# Altium PCB Layout.PcbDoc (part 3 of 3)
Units mm, origin at the board's own origin, x right, y up, seen from the top; angles counter-clockwise.
Board outline 143.51 x 102.23 mm, 2 copper layers (Top Layer, Bottom Layer); 183 components, 85 nets, 583 pads, 860 vias.
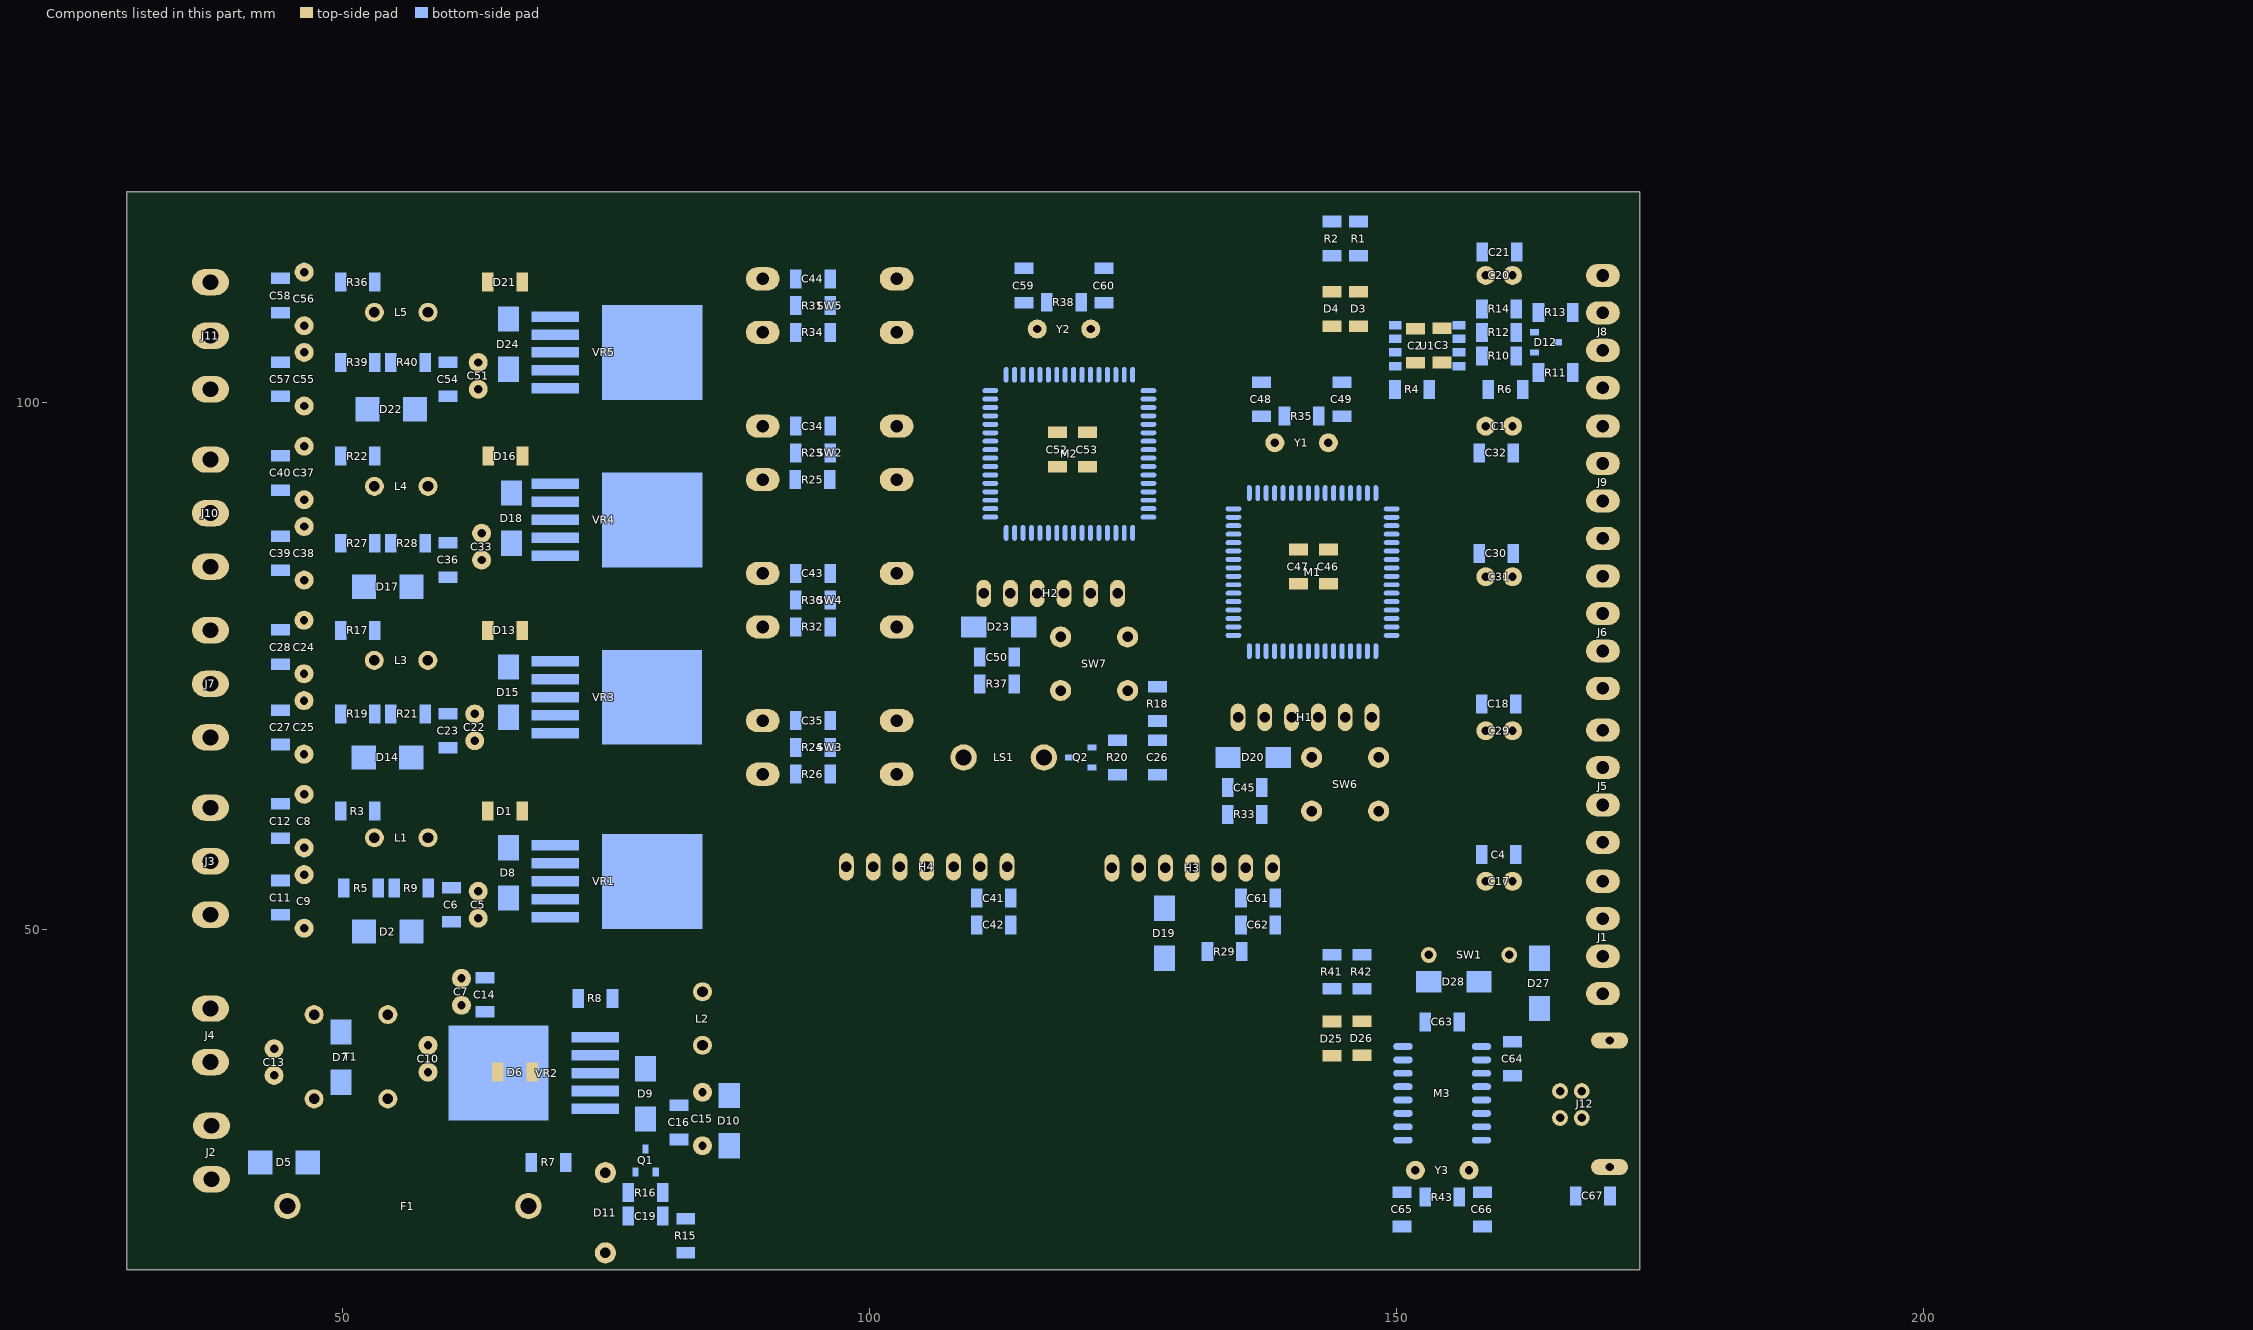
[diagram p3: the components of this part, seen from the top]

## Silkscreen, mask and mechanical layers (free items; w line width, h text height)
Top Overlay:
  drawing of 140 lines, arcs and shapes, not listed
  text "Serial" at 142.811,118.046 h1
  text "RS-485" at 142.811,116.141 h1
  text "Capacitors" at 41.69,114.57 h1
  text "LEDs" at 142.811,114.236 h1
  text "Crystal" at 113.73,113.474 h1.52
  text "V+" at 40.259,112.459 h1.5 r270
  text "+" at 165.735,111.697 h1.52 r90
  text "1" at 61.531,111.061 h1
  text "Motor" at 63.119,108.521 h1
  text "A" at 164.401,108.204 h1.52
  text "M1" at 40.259,107.379 h1.5 r270
  text "LED" at 63.119,106.934 h1
  text "Switch" at 92.329,104.394 h1.52
  text "B" at 164.401,104.394 h1.52
  text "GND" at 40.259,103.251 h1.5 r270
  text "Crystal" at 136.462,102.362 h1.52
  text "Inductor" at 51.054,101.854 h1
  text "-" at 164.401,100.775 h1.52
  text "100uH" at 51.054,99.949 h1
  text "+" at 164.401,97.155 h1.52
  text "V+" at 40.259,95.631 h1.5 r270
  text "2" at 61.531,94.551 h1
  text "A" at 164.401,93.916 h1.52
  text "12VDC" at 148.844,92.329 h1.52
  text "Motor" at 63.119,92.011 h1
  text "M2" at 40.259,90.551 h1.5 r270
  text "Switch" at 92.329,90.424 h1.52
  text "MCU" at 110.109,90.424 h1.52
  text "1" at 115.506,90.424 h1.52
  text "LED" at 63.136,90.374 h1
  text "B" at 164.401,90.106 h1.52
  text "Motor 3" at 105.346,86.741 h1.52 r270
  text "-" at 164.401,86.487 h1.52
  text "GND" at 40.259,86.423 h1.5 r270
  text "Inductor" at 51.371,85.344 h1
  text "RST" at 111.506,83.757 h1.52 r90
  text "SCK" at 114.046,83.757 h1.52 r90
  text "MISO" at 116.586,83.757 h1.52 r90
  text "MOSI" at 119.126,83.757 h1.52 r90
  text "GND" at 121.666,83.757 h1.52 r90
  text "VCC" at 124.206,83.757 h1.52 r90
  text "100uH" at 51.371,83.439 h1
  text "+" at 164.401,82.868 h1.52
  text "A" at 164.401,79.629 h1.52
  text "V+" at 40.259,79.438 h1.5 r270
  text "MCU" at 134.239,78.676 h1.52
  text "2" at 139.636,78.676 h1.52
  text "RS-485" at 151.828,78.676 h1.52 r90
  text "3" at 61.531,78.041 h1
  text "MCU" at 126.619,76.772 h1.2
  text "1" at 131.064,76.772 h1.2
  text "Switch" at 92.329,76.454 h1.52
  text "Inrerfaces" at 154.368,75.819 h1.52 r90
  text "B" at 164.401,75.819 h1.52
  text "Motor" at 63.119,75.501 h1
  text "RESET" at 126.619,74.549 h1.2
  text "M3" at 40.259,74.358 h1.5 r270
  text "LED" at 63.119,73.914 h1
  text "-" at 164.401,72.2 h1.52
  text "RST" at 135.636,72.009 h1.52 r90
  text "SCK" at 138.176,72.009 h1.52 r90
  text "MISO" at 140.716,72.009 h1.52 r90
  text "MOSI" at 143.256,72.009 h1.52 r90
  text "GND" at 145.796,72.009 h1.52 r90
  text "VCC" at 148.336,72.009 h1.52 r90
  text "GND" at 40.259,70.231 h1.5 r270
  text "Inductor" at 51.054,68.834 h1
  text "-" at 116.141,68.39 h1.52
  text "+" at 164.401,68.263 h1.52
  text "100uH" at 51.054,66.929 h1
  text "Underwater" at 68.36,66.406 h4
  text "5VDC" at 120.269,65.341 h1.52
  text "MCU" at 150.431,65.341 h1.2
  text "2" at 154.559,65.341 h1.2
  text "A" at 164.401,65.024 h1.52
  text "V+" at 40.259,62.928 h1.5 r270
  text "RESET" at 150.431,62.801 h1.2
  text "Switch" at 92.329,62.484 h1.52
  text "Soft Robot" at 68.72,62.278 h4
  text "B" at 164.401,61.214 h1.52
  text "4" at 61.849,60.896 h1
  text "Control" at 71.631,58.464 h4
  text "Motor" at 63.119,58.356 h1
  text "-" at 164.401,57.595 h1.52
  text "M4" at 40.259,57.531 h1.5 r270
  text "LED" at 63.119,56.769 h1
  text "Board" at 72.858,54.651 h4
  text "+" at 164.401,53.975 h1.52
  text "GND" at 40.259,53.404 h1.5 r270
  text "Version: 1.0" at 73.127,52.092 h2
  text "Inductor" at 51.054,52.006 h1
  text "EN" at 108.648,51.371 h1.5 r90
  text "EN" at 133.731,51.371 h1.5 r90
  text "A" at 164.401,50.736 h1.52
  text "100uH" at 51.054,50.102 h1
  text "SET" at 98.489,50.102 h1.5 r90
  text "AUX" at 101.028,50.102 h1.5 r90
  text "TXD" at 103.569,50.102 h1.5 r90
  text "RXD" at 106.108,50.102 h1.5 r90
  text "VCC" at 111.188,50.102 h1.5 r90
  text "GND" at 113.728,50.102 h1.5 r90
  text "SET" at 123.888,50.102 h1.5 r90
  text "AUX" at 126.111,50.102 h1.5 r90
  text "TXD" at 128.651,50.102 h1.5 r90
  text "RXD" at 131.191,50.102 h1.5 r90
  text "VCC" at 136.271,50.102 h1.5 r90
  text "GND" at 138.811,50.102 h1.5 r90
  text "Inductor" at 80.581,49.466 h1
  text "100uH" at 81.852,47.561 h1
  text "B" at 164.401,46.926 h1.52
  text "INPUT PWR" at 30.734,45.974 h1.52
  text "Common" at 45.974,45.021 h1
  text "GND" at 39.941,44.514 h1.5 r270
  text "SEMTECH" at 98.079,43.752 h2.2
  text "SEMTECH" at 123.479,43.752 h2.2
  text "Code" at 45.974,43.434 h1
  text "Coil" at 50.419,43.434 h1
  text "-" at 164.401,43.307 h1.52
  text "Enable" at 152.019,41.846 h1.52
  text "SX1276" at 99.362,39.306 h2.2
  text "SX1276" at 124.762,39.306 h2.2
  text "24V" at 39.941,39.116 h1.5 r270
  text "USB-B" at 156.781,35.814 h1.52
  text "LoRa" at 101.378,35.179 h2.2
  text "LoRa" at 126.46,35.179 h2.2
  text "Serial" at 143.129,33.591 h1
  text "Type" at 156.781,33.464 h1.52
  text "ON/OFF" at 39.941,33.141 h1.5 r270
  text "PWR" at 64.072,32.956 h1.52
  text "Debugging" at 143.129,31.702 h1
  text "Module" at 99.362,30.734 h2.2
  text "Module" at 124.444,30.734 h2.2
  text "LED" at 64.072,30.416 h1.52
  text "LEDs" at 143.129,29.781 h1
  text "Fuse" at 43.752,26.607 h1.52
  text "Holder" at 50.419,26.607 h1.52
  text "Zener" at 78.041,22.479 h1.2
  text "Crystal" at 149.608,22.352 h1.52
  text "Diode" at 78.041,20.574 h1.2
  text "8A" at 54.864,19.621 h1.52
  text "20VDC" at 78.041,18.669 h1.2
Bottom Overlay:
  drawing of 155 lines, arcs and shapes, not listed
  text "MAX487" at 156.591,111.379 h1.52
  text "IC" at 156.591,108.839 h1.52
  text "LM2576-ADJ" at 77.534,98.361 h1
  text "SS24" at 56.197,96.52 h1.52
  text "ATmega128A" at 123.571,84.264 h1.52
  text "LM2576-ADJ" at 77.534,82.486 h1
  text "SS24" at 55.88,79.692 h1.52
  text "ATmega128A" at 149.288,73.152 h1.52
  text "LM2576-ADJ" at 77.534,65.659 h1
  text "SS24" at 55.88,63.5 h1.52
  text "LM2576-ADJ" at 77.534,48.197 h1
  text "SS24" at 55.88,46.99 h1.52
  text "This board is based upon" at 146.485,31.966 h1
  text "LM2576-5V" at 68.644,30.099 h1
  text "IC" at 152.971,30.099 h1.2 r270
  text "CH340G" at 154.876,30.099 h1.2 r270
  text "SS24" at 46.038,29.845 h1.52
  text "work supported by (ASRT)" at 146.485,29.743 h1
  text "under the project named" at 146.485,27.521 h1
  text "\"Mimicking Biodiversity of" at 146.485,24.981 h1
  text "Coral Reefs Using Soft" at 146.485,22.758 h1
  text "Robots Based Bioimpedance" at 146.485,20.536 h1
  text "Sensing\"." at 146.485,18.313 h1

## Text inside footprints (layer, text, board x,y; h text height)
H1: Top Overlay "ICSP" at 142.494,78.676 h1.52
H2: Top Overlay "ICSP" at 117.729,90.424 h1.52
LS1: Top Overlay "+" at 109.283,68.263 h1.52
SW1: Top Overlay "1" at 154.831,47.873 h1.52 r270
SW2: Top Overlay "Motor 4" at 90.742,58.991 h1.52
SW4: Top Overlay "Motor 2" at 105.346,100.711 h1.52 r270
SW5: Top Overlay "Motor 1" at 90.87,116.141 h1.52
Y1: Top Overlay "16MHz" at 137.731,99.314 h1.5
Y2: Top Overlay "16MHz" at 115.189,110.426 h1.5
Y3: Top Overlay "12MHz" at 150.877,19.304 h1.52